# Altium PCB FIT_TDC_ADC.PcbDoc (part 7 of 10)
Units mm, origin at the board's own origin, x right, y up, seen from the top; angles counter-clockwise.
Board outline 89.38 x 69 mm, 8 copper layers (Top Layer, GND1, SIGNAL2, POWER3, POWER4, SIGNAL5, GND6, Bottom Layer), stack 1.028 mm thick; 495 components, 463 nets, 2013 pads, 1239 vias.
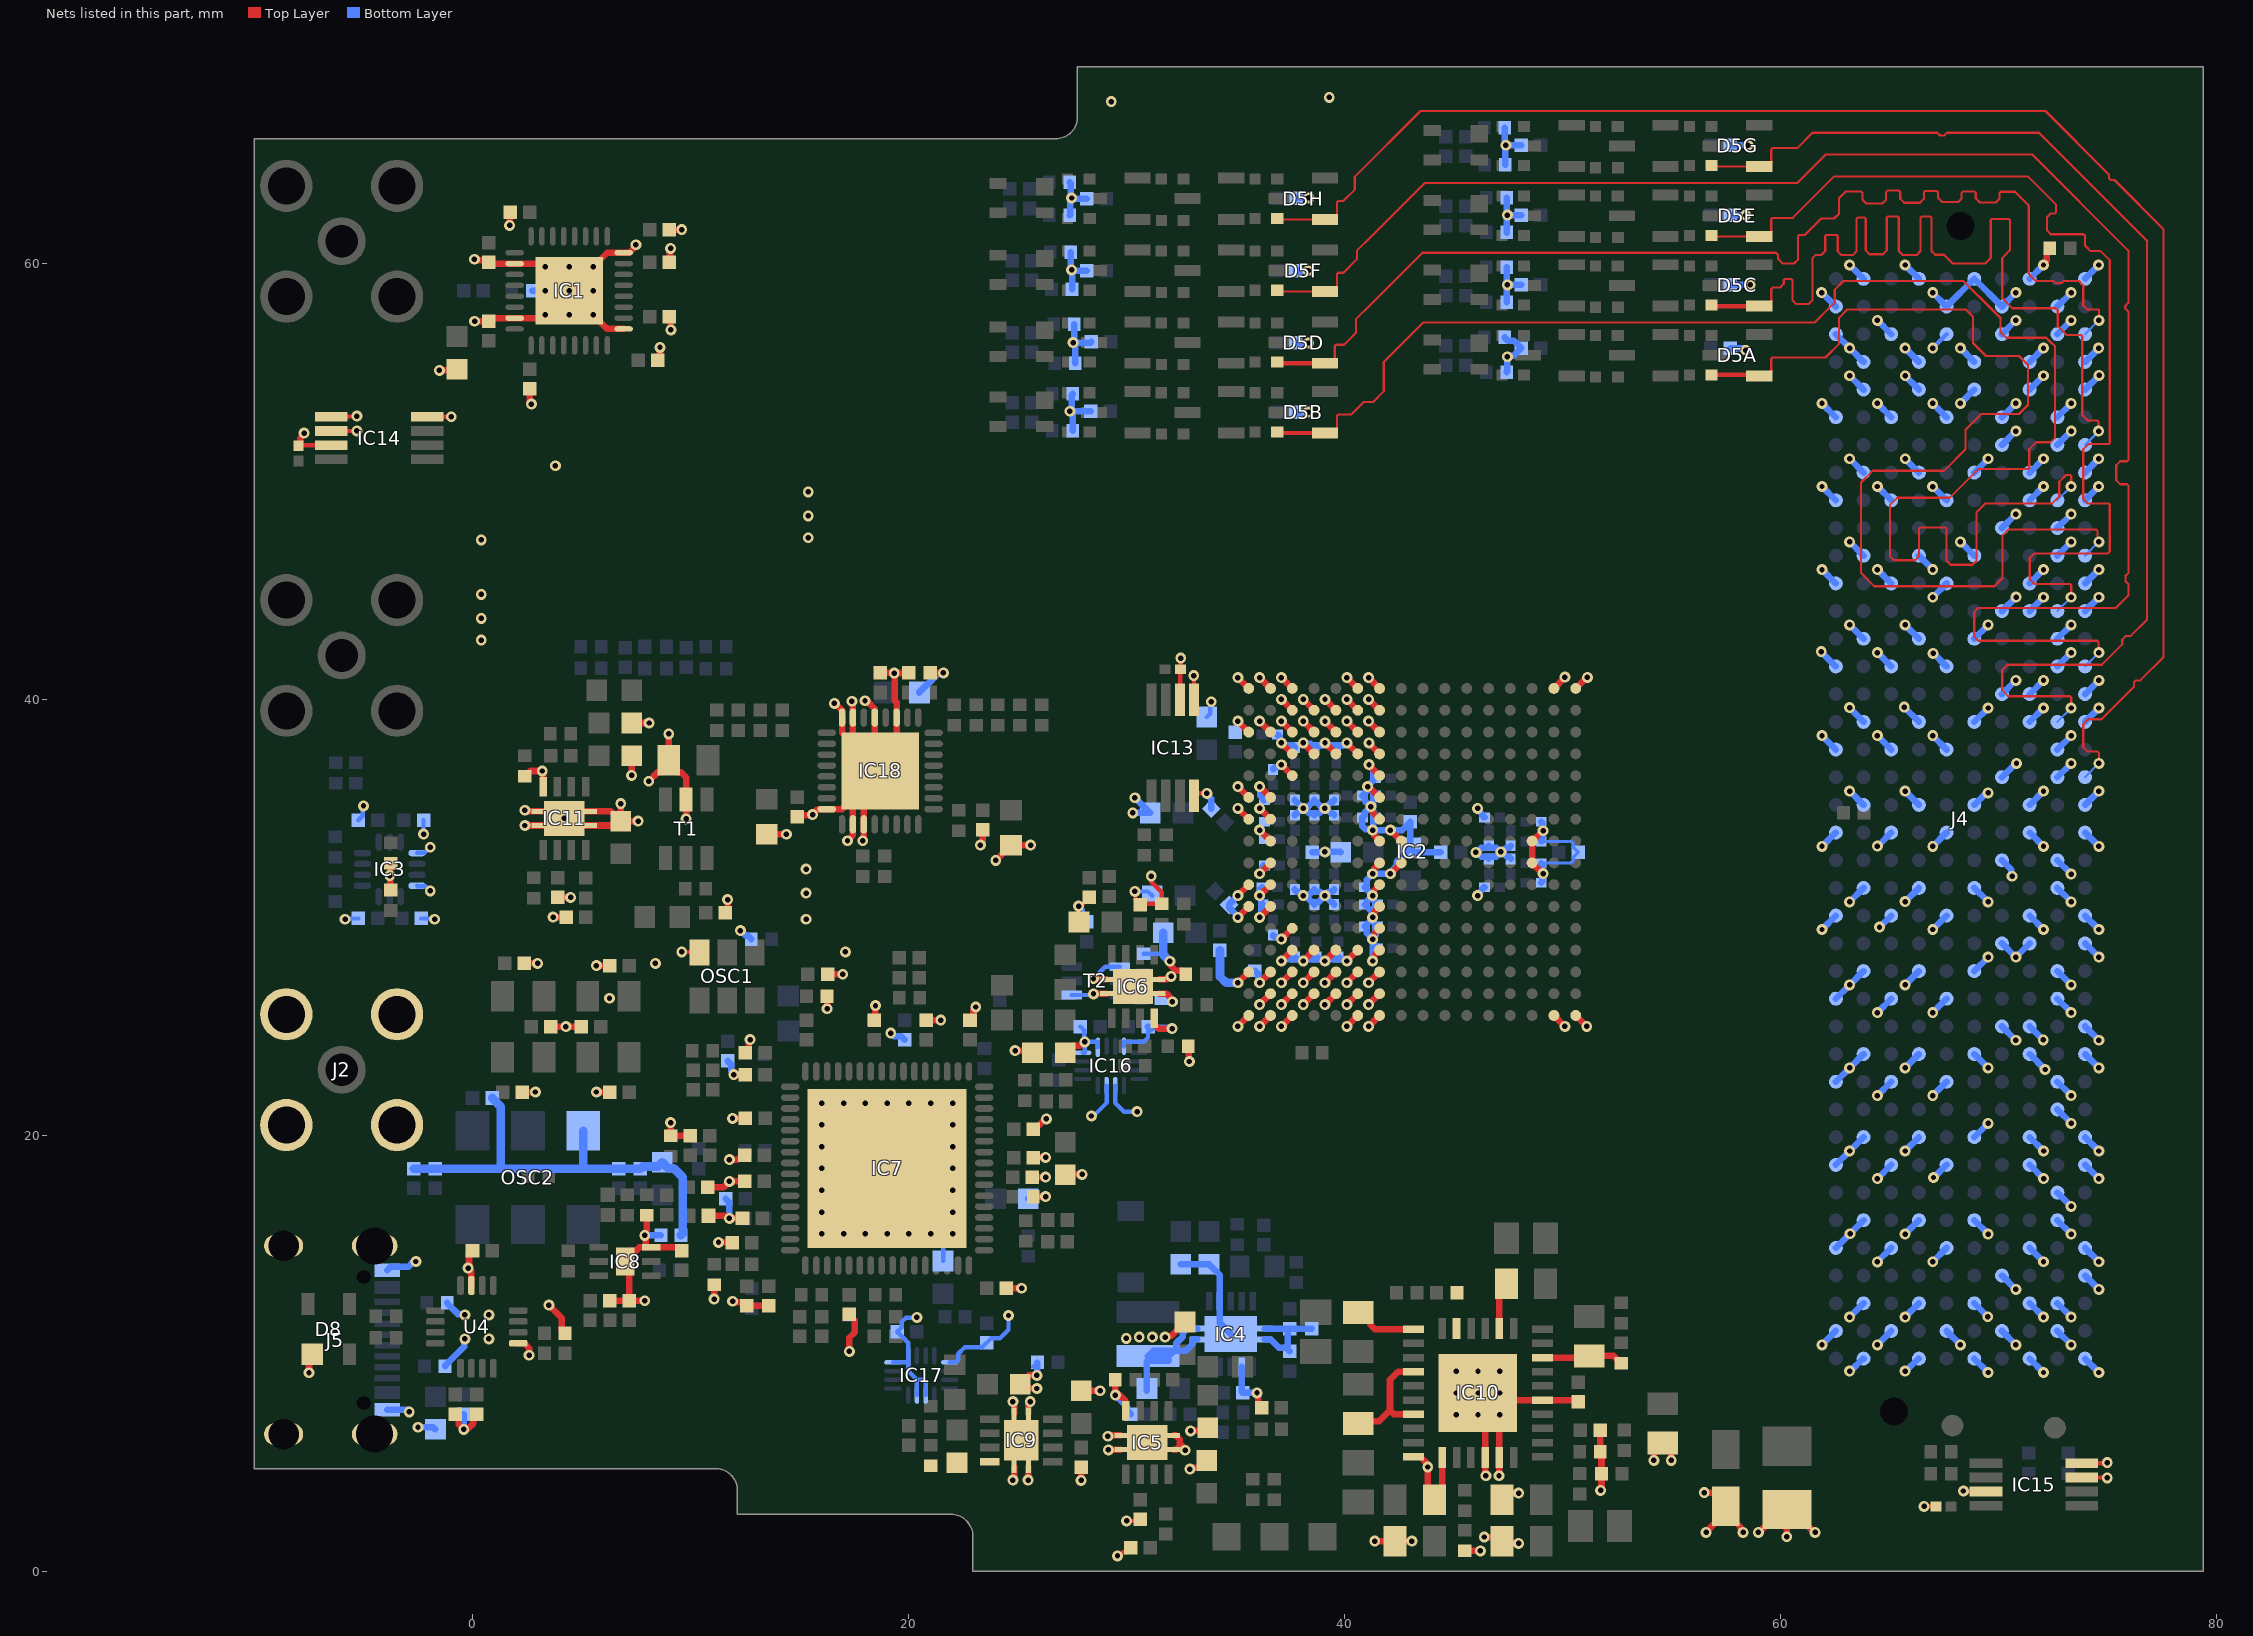
[diagram p13: the nets of this part, all layers, seen from the top]

## Via types
v1: diameter 0.5, hole 0.25, Top Layer to Bottom Layer, tented both sides, 1171 vias
v2: diameter 0.5, hole 0.25, Top Layer to Bottom Layer, tented bottom, 39 vias
v3: diameter 0.5, hole 0.25, Top Layer to Bottom Layer, 29 vias

## Nets (pads, with @x,y where several pads share a name; then routed paths per layer and width w, separated by ;. In a path a pad name is that pad's centre, name@x,y a point inside that pad or via, vN(x,y) a via of type N, cw(c..) or ccw(c..) an arc to the next point about the centre after c; other vN are vias at no path point) (continued)
GND: C2.1 C3.1 C4.1 C5.1 C6.1 C7.1 C8.1 C9.1 C10.1 C11.1 C12.1 C13.1 C14.1 C18.1 C19.1 C20.1 C21.1 C22.1 C23.1 C24.1 C25.1 C26.1 C27.1 C28.1 C29.1 C30.1 C31.1 C32.1 C33.1 C34.1 C35.1 C36.1 C37.1 C38.1 C39.1 C40.1 C41.1 C42.1 C43.1 C44.1 C45.1 C46.1 C47.1 C48.1 C49.1 C50.1 C51.1 C52.1 C53.1 C54.1 C55.1 C56.1 C57.1 C58.1 C59.1 C60.1 C61.1 C62.1 C63.1 C64.1 C65.1 C66.1 C67.1 C68.1 C69.1 C70.1 C71.1 C72.1 C73.1 C74.1 C75.1 C76.1 C77.1 C78.1 C79.1 C80.1 C81.1 C82.1 C83.1 C84.1 C85.1 C87.1 C88.1 C89.1 C90.1 C92.1 C93.1 C94.1 C95.1 C100.1 C106.1 C109.1 C111.1 C112.1 C113.1 C114.2 C115.2 C116.2 C117.2 C118.2 C119.2 C120.2 C124.1 C126.1 C129.1 C130.1 C131.1 C132.1 C133.1 C134.1 C137.1 C138.1 C139.1 C140.1 C141.1 C143.1 C144.1 C145.1 C146.1 C147.2 C148.2 C149.1 C150.1 C151.1 C152.1 C153.1 C154.1 C155.1 C156.1 C157.1 C158.1 C159.1 C160.1 C161.1 C162.1 C165.2 C166.2 C167.2 C170.1 C171.1 C172.1 C173.1 C174.1 C175.1 C176.1 C177.1 C178.1 C180.1 C181.1 C182.1 C183.1 C184.1 C185.1 C186.1 C187.1 C188A.1 C188B.1 C188C.1 C188D.1 C188E.1 C188F.1 C188G.1 C188H.1 C189A.1 C189B.1 C189C.1 C189D.1 C189E.1 C189F.1 C189G.1 C189H.1 C192.1 C193.1 C194.1 C195.1 C196.1 C197.1 C198.1 C199.1 C200.1 C201.1 C202.1 C203.1 C204.1 C205.1 C206.1 C209.1 C210.1 C211.1 C212.1 C213.1 D8.1 IC1.2 IC1.7 IC1.17 IC1.24 IC1.33 IC2.A1 IC2.A2 IC2.A3 IC2.A6 IC2.A7 IC2.A15 IC2.A16 IC2.B3 IC2.B4 IC2.B5 IC2.B6 IC2.B7 IC2.C1 IC2.C2 IC2.C3 IC2.C4 IC2.C5 IC2.C6 IC2.C7 IC2.D3 IC2.D4 IC2.D5 IC2.D6 IC2.D7 IC2.E3 IC2.E7 IC2.F1 IC2.F2 IC2.F7 IC2.G1 IC2.G2 IC2.G7 IC2.H2 IC2.H7 IC2.H8 IC2.H14 IC2.J2 IC2.J7 IC2.J8 IC2.J14 IC2.K1 IC2.K2 IC2.K7 IC2.L1 IC2.L2 IC2.L7 IC2.M3 IC2.M7 IC2.N3 IC2.N4 IC2.N5 IC2.N6 IC2.N7 IC2.P1 IC2.P2 IC2.P3 IC2.P4 IC2.P5 IC2.P6 IC2.P7 IC2.R2 IC2.R3 IC2.R4 IC2.R5 IC2.R6 IC2.R7 IC2.T1 IC2.T2 IC2.T3 IC2.T6 IC2.T7 IC2.T15 IC2.T16 IC3.11 IC3.14 IC4.2 IC4.7 IC4.11 IC5.4 IC5.9 IC6.4 IC6.9 IC7.65 IC8.3 IC8.7 IC9.4 IC9.9 IC10.2 IC10.5 IC10.7 IC10.10 IC10.13 IC10.16 IC10.17 IC10.20 IC10.21 IC10.27 IC10.30 IC10.33 IC11.4 IC11.9 IC13.4 IC13.5 IC13.6 IC14.4 IC14.5 IC14.6 IC14.7 IC15.3 IC15.4 IC15.7 IC16.1 IC16.4 IC16.10 IC16.11 IC16.16 IC17.1 IC17.5 IC17.10 IC17.11 IC17.16 IC18.8 IC18.10 IC18.11 IC18.27 IC18.29 IC18.31 IC18.32 IC18.33 J2.2 J4.a1 J4.a4 J4.a5 J4.a8 J4.a9 J4.a12 J4.a13 J4.a16 J4.a17 J4.a20 J4.a21 J4.a24 J4.a25 J4.a28 J4.a29 J4.a32 J4.a33 J4.a36 J4.a37 J4.a40 J4.b2 J4.b3 J4.b6 J4.b7 J4.b10 J4.b11 J4.b14 J4.b15 J4.b18 J4.b19 J4.b22 J4.b23 J4.b26 J4.b27 J4.b30 J4.b31 J4.b34 J4.b35 J4.b38 J4.b39 J4.c1 J4.c4 J4.c5 J4.c8 J4.c9 J4.c12 J4.c13 J4.c16 J4.c17 J4.c20 J4.c21 J4.c24 J4.c25 J4.c28 J4.c29 J4.c32 J4.c33 J4.c36 J4.c38 J4.c40 J4.d2 J4.d3 J4.d6 J4.d7 J4.d10 J4.d13 J4.d16 J4.d19 J4.d22 J4.d25 J4.d28 J4.d37 J4.d39 J4.e1 J4.e4 J4.e5 J4.e8 J4.e11 J4.e14 J4.e17 J4.e20 J4.e23 J4.e26 J4.e29 J4.e32 J4.e35 J4.e38 J4.e40 J4.f2 J4.f3 J4.f6 J4.f9 J4.f12 J4.f15 J4.f18 J4.f21 J4.f24 J4.f27 J4.f30 J4.f33 J4.f36 J4.f39 J4.g1 J4.g4 J4.g5 J4.g8 J4.g11 J4.g14 J4.g17 J4.g20 J4.g23 J4.g26 J4.g29 J4.g32 J4.g35 J4.g38 J4.g40 J4.h3 J4.h6 J4.h9 J4.h12 J4.h15 J4.h18 J4.h21 J4.h24 J4.h27 J4.h30 J4.h33 J4.h36 J4.h39 J4.j1 J4.j4 J4.j5 J4.j8 J4.j11 J4.j14 J4.j17 J4.j20 J4.j23 J4.j26 J4.j29 J4.j32 J4.j35 J4.j38 J4.j40 J4.k2 J4.k3 J4.k6 J4.k9 J4.k12 J4.k15 J4.k18 J4.k21 J4.k24 J4.k27 J4.k30 J4.k33 J4.k36 J4.k39 J5.1 J5.2 J5.3 J5.4 J5.A1-B12 J5.B1-A12 L26.2 L29.2 OSC1.3 R1.1 R14.1 R15.1 R16.1 R22.1 R25.1 R26.1 R28.1 R31.1 R34.1 R38.1 R39.1 R41.1 R42A.1 R42B.1 R42C.1 R42D.1 R42E.1 R42F.1 R42G.1 R42H.1 R46.1 R47A.1 R47B.1 R47C.1 R47D.1 R47E.1 R47F.1 R47G.1 R47H.1 R50.1 R52.1 R54.1 R57.1 R58.1 R83.2 R85.1 R93.1 R94.1 R98.2 R99.1 R100.2 R118.1 T1.5 T2.1 T2.4 U4.3 U4.13 U4.17 | length 547.8
  Top Layer w0.1: v1(39.099,25.985) v1@39.104,25.985 ; v1(39.099,26.985) v1@39.104,26.985 ; v1(39.099,27.985) v1@39.104,27.985 ; v1(41.058,35.985) v1@41.104,35.985 ; v1@41.104,38.985 v1(41.104,38.989) ; v1@41.121,36.968 v1(41.121,36.989) ; v1@41.121,37.968 v1(41.121,37.989) ; v1@49.1,31.989 v1(49.104,31.989) ; v1@50.104,40.985 v1(50.104,41.008) ; v1@51.104,24.985 v1(51.11,24.985) ; v1@51.115,40.997 v1(51.138,40.997)
  Top Layer w0.2: C166.2@-7.948,51.769 C166.2@-7.923,51.744 ; C166.2@-7.855,51.644 IC14.7@-6.48,51.644 IC14.7@-6.465,51.659 ; IC14.6@-6.48,52.294 -6.477,52.297 -5.303,52.297 v1(-5.3,52.3) ; IC14.5@-6.48,52.944 -6.465,52.96 -5.315,52.96 v1(-5.3,52.975) ; IC14.4@-2.08,52.944 -2.077,52.947 -0.978,52.947 v1(-0.975,52.95) ; v1(9.6,28.4) 10.389,28.4 OSC1.3@10.415,28.374 ; v1(27.8,30.5) 27.857,30.557 27.957,30.557 C198.1@28.3,30.9 ; v1(29.585,0.7) 29.666,0.7 29.83,0.864 29.975,0.864 C197.1@30.185,1.074 ; v1(30,2.3) 30.55,2.3 C90.1@30.62,2.369 ; v1(30.385,31.174) 30.41,31.149 30.41,30.779 C95.1@30.62,30.569 30.66,30.609 R26.1@31.62,30.609 31.62,31.139 31.135,31.624 v1(31.135,31.874) ; IC13.6@32.445,39.969 32.47,39.994 C165.2@32.47,41.369 32.485,41.384 32.477,41.392 32.477,41.867 v1(32.485,41.874) ; v1(33.085,41.074) 33.095,41.064 IC13.5@33.095,39.969 ; IC13.4@33.095,35.569 33.2,35.674 v1(33.685,35.674) ; v1(66.58,2.969) C167.2@67.12,2.969 ; v1(68.385,3.674) 68.415,3.644 IC15.7@69.42,3.644 ; IC15.3@73.82,4.294 74.965,4.294 v1(74.985,4.274) ; IC15.4@73.82,4.944 74.955,4.944 v1(74.985,4.974)
  Top Layer w0.3: C166.2@-7.98,51.619 -7.99,51.629 -7.905,51.714 -7.905,51.966 -7.725,52.146 v1(-7.725,52.2) ; v1(-7.5,9.1) -7.5,9.8 D8.1@-7.35,9.95 ; v1@-3.8,31.9 -3.77,31.93 -3.77,32.441 R16.1@-3.745,32.466 ; v1(-3.795,31.9) -3.767,31.873 -3.767,31.269 R85.1@-3.74,31.241 ; v1(-1.515,55.074) -0.765,55.074 C2.1@-0.715,55.124 ; C192.1@-0.8,7.2 -0.64,7.04 -0.64,6.74 v1(-0.4,6.5) -0.362,6.538 -0.197,6.538 0.04,6.776 0.04,7.04 C195.1@0.2,7.2 ; U4.3@-0.05,13.1 -0.05,13.75 v1(-0.2,13.9) -0.2,13.954 -0.16,13.994 -0.16,14.54 C194.1@0,14.7 ; v1(0.085,60.174) 0.123,60.136 0.623,60.136 0.785,59.974 IC1.2@1.935,59.974 3.185,59.974 v3(3.335,59.824) ; v1(0.1,57.329) 0.105,57.324 C5.1@0.735,57.324 0.885,57.474 IC1.7@1.935,57.474 3.185,57.474 v3(3.335,57.624) ; v1(1.7,61.729) 1.711,61.74 1.711,62.3 C3.1@1.735,62.324 ; U4.13@2.1,10.45 2.375,10.45 2.6,10.225 v1(2.6,9.9) ; C173.1@2.285,21.974 v1(2.885,21.974) ; C175.1@2.385,27.874 v1(2.985,27.874) ; v1(2.4,34.2) IC11.9@3,34.2 3.887,34.2 v1(4.213,34.525) ; v1(2.4,34.9) 2.45,34.85 IC11.9@3,34.85 3.888,34.85 v1(4.213,34.525) ; R118.1@2.4,36.46 2.42,36.46 2.66,36.7 v1(3.2,36.7) 3.238,36.662 IC11.4@3.238,35.975 ; C7.1@2.635,54.224 2.635,53.594 v1(2.7,53.529) ; v1(3.5,12.2) 4.1,11.6 4.1,11.04 R99.1@4.24,10.9 ; C174.1@3.585,24.974 v1(4.285,24.974) C177.1@4.985,24.974 ; v1(3.7,30) C211.1@4.3,30 ; C213.1@3.9,30.9 v1(4.5,30.9) ; v3(5.535,57.624) 6.185,56.974 IC1.17@6.935,56.974 ; v3(5.535,59.824) 6.185,60.474 IC1.24@6.935,60.474 7.185,60.474 7.496,60.785 v1(7.496,60.837) ; v1(5.685,21.974) C176.1@6.285,21.974 ; v1(5.685,27.774) C178.1@6.285,27.774 ; C161.1@6.3,12.4 C160.1@7.2,12.4 ; v1(6.8,35.2) C212.1@6.8,34.4 ; v1(7.3,36.5) C209.1@7.3,37.4 ; C210.1@7.3,38.9 v1(8.1,38.9) ; v1(7.6,34.4) C212.1@6.8,34.4 ; v1(7.9,12.4) C160.1@7.2,12.4 ; R58.1@8,16.33 8,15.554 7.9,15.454 v1(7.9,15.4) 7.938,15.362 IC8.3@7.938,14.85 ; v1(8.086,36.228) 8.509,36.65 8.625,36.65 C12.1@9,37.025 ; C8.1@8.6,55.629 v1(8.6,56.129) ; v1(9,38.4) C12.1@9,37.2 C12.1@9,37.025 ; C10.1@9.035,57.524 9.089,57.47 9.089,56.94 v1(9.1,56.929) ; C9.1@9.035,60.024 9.06,60.049 9.06,60.649 v1(9.085,60.674) ; C4.1@9.035,61.524 9.04,61.529 v1(9.6,61.529) ; v1(9.085,20.574) R31.1@9.085,19.974 C100.1@9.985,19.974 ; C162.1@9.6,14.7 9.45,14.85 IC8.3@8.2,14.85 IC8.3@7.938,14.85 ; v1(9.8,34.5) T1.5@9.8,35.4 9.8,36.4 9.55,36.65 9.375,36.65 C12.1@9,37.025 ; C109.1@10.8,17.6 11.509,17.6 11.783,17.874 v1(11.785,17.874) C132.1@12.485,17.874 ; C111.1@10.82,16.3 11.605,16.3 11.731,16.174 v1(11.785,16.174) C133.1@12.385,16.174 ; v1(11.085,12.474) R38.1@11.085,13.134 ; v1(11.285,15.074) 11.915,15.074 C124.1@11.92,15.069 ; C11.1@11.6,30.2 11.7,30.3 v1(11.7,30.8) ; v1(11.785,18.874) 12.149,18.874 12.189,18.914 12.325,18.914 C170.1@12.485,19.074 ; v1(11.926,20.763) 11.929,20.766 12.517,20.766 C116.2@12.52,20.769 ; v1(11.932,12.377) 11.986,12.377 12.029,12.334 12.425,12.334 C134.1@12.585,12.174 C131.1@13.585,12.174 ; v1(11.985,22.774) 12.515,22.774 C115.2@12.52,22.769 ; C119.2@12.52,23.769 12.68,23.929 12.68,24.272 12.734,24.326 v1(12.734,24.38) ; C206.1@13.5,33.8 v1(14.4,33.8) ; C14.1@14.9,34.6 14.974,34.674 15.574,34.674 v1(15.6,34.7) 15.85,34.95 IC18.8@16.25,34.95 16.95,34.95 IC18.33@17.45,35.45 ; R39.1@16.26,26.369 16.262,26.367 16.262,25.797 v1(16.264,25.795) ; C106.1@16.285,27.374 v1(16.985,27.374) ; v1(16.6,39.8) 16.632,39.8 IC18.32@16.95,39.482 ; IC18.32@16.95,39.15 16.95,38.45 IC18.33@18.45,36.95 ; v1(17.2,33.5) 17.45,33.75 IC18.10@17.45,34.25 IC18.33@17.45,35.45 ; v1(17.285,10.074) 17.285,10.702 17.533,10.95 17.533,11.509 17.445,11.597 17.445,11.614 C140.1@17.285,11.774 ; v1(17.4,39.9) 17.45,39.85 IC18.31@17.45,39.15 IC18.33@17.45,37.95 ; v1(17.9,33.5) 17.95,33.55 IC18.11@17.95,34.25 IC18.33@17.95,35.95 ; v1(18.002,39.922) 18.041,39.884 18.116,39.884 18.45,39.55 IC18.33@18.45,36.95 ; C139.1@18.42,25.269 18.464,25.314 18.464,25.854 18.485,25.874 v1(18.485,25.939) ; C202.1@19,41.2 19.332,41.2 v1(19.345,41.187) ; C205.1@20,41.2 19.994,41.194 19.351,41.194 v1(19.345,41.187) ; C117.2@20.82,25.269 20.825,25.274 20.827,25.272 21.477,25.272 v1(21.48,25.274) ; C204.1@21,41.2 v1(21.6,41.2) ; C138.1@22.82,25.269 22.98,25.429 22.98,25.715 23.085,25.82 v1(23.085,25.874) ; v1(23.3,33.3) 23.4,33.4 C13.1@23.4,34 ; v1(24,32.6) 24.35,32.95 24.35,32.975 24.675,33.3 C203.1@24.7,33.3 v1(25.6,33.3) ; C141.1@24.485,12.974 v1(25.185,12.974) ; v1(24.785,4.174) 24.845,4.234 IC9.9@24.845,4.782 ; v1(24.785,7.774) 24.845,7.714 IC9.9@24.845,7.207 ; v1(24.885,23.874) 25.585,23.874 C92.1@25.685,23.774 ; v1(25.485,4.174) 25.495,4.184 IC9.9@25.495,4.782 ; IC9.9@25.495,7.207 25.495,7.684 v1(25.585,7.774) ; C114.2@25.685,18.074 v1(26.285,18.074) ; C120.2@25.72,18.969 25.725,18.974 v1(26.285,18.974) ; C113.1@25.72,20.269 25.88,20.429 25.959,20.429 26.231,20.702 26.287,20.702 v1(26.325,20.74) ; R28.1@25.725,17.174 v1(26.285,17.174) ; v1(25.885,8.374) 25.869,8.39 25.299,8.39 C144.1@25.12,8.569 25.525,8.974 v1(25.885,8.974) ; C112.1@27.185,18.174 27.204,18.193 v1(27.963,18.193) ; C93.1@27.185,23.774 27.51,24.099 27.856,24.099 28.031,24.274 v1(28.085,24.274) ; v1(27.8,30.5) 27.8,29.789 C94.1@27.82,29.769 ; v1(27.917,4.161) 27.918,4.162 C146.1@27.92,4.769 C146.1@27.92,4.769 ; C145.1@27.92,8.269 27.925,8.274 v1(28.785,8.274) ; v1(28.485,26.474) 28.499,26.488 IC6.9@29.08,26.488 ; v1(28.485,27.174) 28.521,27.138 IC6.9@29.08,27.138 ; v1(29.147,6.185) 29.185,6.223 IC5.9@29.734,6.223 ; v1(29.165,5.561) 29.178,5.573 IC5.9@29.734,5.573 ; R22.1@29.48,8.769 29.482,8.767 29.482,8.077 v1(29.485,8.074) 29.685,8.074 29.947,7.812 29.947,7.373 IC5.4@29.972,7.348 ; IC6.4@31.268,25.363 31.293,25.338 31.293,25.056 31.469,24.88 v1(32.089,24.88) ; IC6.9@31.505,26.488 31.828,26.488 32.066,26.251 32.066,26.154 v1(32.104,26.116) ; IC6.9@31.505,27.138 31.849,27.138 31.986,27.276 v1(32.04,27.276) ; v1(31.767,10.734) 31.806,10.773 32.033,10.773 C88.1@32.685,11.424 ; v1(31.985,27.974) 32.023,27.936 32.023,27.772 32.261,27.534 32.575,27.534 32.715,27.394 R15.1@32.715,27.374 ; IC5.9@32.159,5.573 32.284,5.573 32.505,5.794 ; IC5.9@32.159,6.223 32.262,6.223 32.436,6.049 32.436,5.863 32.505,5.794 ; v1(32.683,5.543) 32.645,5.581 32.645,5.654 32.505,5.794 ; R25.1@32.825,24.074 32.855,24.044 32.855,23.404 v1(32.885,23.374) ; v1(32.903,4.676) 32.957,4.676 33.03,4.749 33.36,4.749 C89.1@33.685,5.074 ; v1(32.935,6.43) 33.58,6.43 C87.1@33.72,6.569 ; v1(35.104,24.985) IC2.T1@35.604,25.485 ; v1(35.104,26.985) IC2.P1@35.604,27.485 ; v1(35.104,29.985) IC2.L1@35.604,30.485 ; v1(35.104,30.985) IC2.K1@35.604,31.485 ; v1(35.104,34.985) IC2.G1@35.604,34.485 ; v1(35.104,35.985) IC2.F1@35.604,35.485 ; v1(35.104,38.985) IC2.C1@35.604,38.485 ; v1(35.104,40.985) IC2.A1@35.604,40.485 ; v1(35.985,8.174) 35.985,8.12 36.04,8.065 36.04,7.66 C199.1@36.2,7.5 ; v1(36.104,24.985) IC2.T2@36.604,25.485 ; v1(36.104,25.985) IC2.R2@36.604,26.485 ; v1(36.104,26.985) IC2.P2@36.604,27.485 ; v1(36.104,29.985) IC2.L2@36.604,30.485 ; v1(36.104,30.985) IC2.K2@36.604,31.485 ; v1(36.104,31.985) IC2.J2@36.604,32.485 ; v1(36.104,33.985) IC2.H2@36.604,33.485 ; v1(36.104,34.985) IC2.G2@36.604,34.485 ; v1(36.104,35.985) IC2.F2@36.604,35.485 ; v1(36.104,38.985) IC2.C2@36.604,38.485 ; v1(36.104,40.985) IC2.A2@36.604,40.485 ; v1(37.104,24.985) IC2.T3@37.604,25.485 ; v1(37.104,25.985) IC2.R3@37.604,26.485 ; v1(37.104,26.985) IC2.P3@37.604,27.485 ; v1(37.104,27.985) IC2.N3@37.604,28.485 ; v1(37.104,28.985) IC2.M3@37.604,29.485 ; v1(37.104,36.985) IC2.E3@37.604,36.485 ; v1(37.104,37.985) IC2.D3@37.604,37.485 ; v1(37.104,38.985) IC2.C3@37.604,38.485 ; v1(37.104,39.985) IC2.B3@37.604,39.485 ; v1(37.104,40.985) IC2.A3@37.604,40.485 ; v1(38.104,25.985) IC2.R4@38.604,26.485 ; v1(38.104,26.985) IC2.P4@38.604,27.485 ; v1(38.104,27.985) IC2.N4@38.604,28.485 ; v1(38.104,37.985) IC2.D4@38.604,37.485 ; v1(38.104,38.985) IC2.C4@38.604,38.485 ; v1(38.104,39.985) IC2.B4@38.604,39.485 ; v1@39.104,25.985 IC2.R5@39.604,26.485 ; v1@39.104,26.985 IC2.P5@39.604,27.485 ; v1@39.104,27.985 IC2.N5@39.604,28.485 ; v1(39.104,37.985) IC2.D5@39.604,37.485 ; v1(39.104,38.985) IC2.C5@39.604,38.485 ; v1(39.104,39.985) IC2.B5@39.604,39.485 ; v1(40.104,24.985) IC2.T6@40.604,25.485 ; v1(40.104,25.985) IC2.R6@40.604,26.485 ; v1(40.104,26.985) IC2.P6@40.604,27.485 ; v1(40.104,27.985) IC2.N6@40.604,28.485 ; v1(40.104,37.985) IC2.D6@40.604,37.485 ; v1(40.104,38.985) IC2.C6@40.604,38.485 ; v1(40.104,39.985) IC2.B6@40.604,39.485 ; v1(40.104,40.985) IC2.A6@40.604,40.485 ; C153.1@40.62,6.769 40.734,6.884 41.594,6.884 42.085,7.374 ; C154.1@40.62,11.869 40.795,11.869 41.17,11.494 41.17,11.319 41.395,11.094 IC10.7@43.157,11.094 ; v1(41.104,24.985) IC2.T7@41.604,25.485 ; v1(41.104,25.985) IC2.R7@41.604,26.485 ; v1(41.104,26.985) IC2.P7@41.604,27.485 ; v1@41.104,35.985 IC2.F7@41.604,35.485 ; v1@41.104,38.985 IC2.C7@41.604,38.485 ; v1(41.104,39.985) IC2.B7@41.604,39.485 ; v1(41.104,40.985) IC2.A7@41.604,40.485 ; v1@41.121,36.968 IC2.E7@41.604,36.485 ; v1@41.121,37.968 IC2.D7@41.604,37.485 ; v1(41.205,35.065) 41.282,34.988 41.282,34.807 IC2.G7@41.604,34.485 ; v1(41.285,27.984) 41.361,28.061 41.361,28.233 41.604,28.475 IC2.N7@41.604,28.485 ; v1(41.285,29.985) 41.361,30.062 41.361,30.233 41.604,30.475 IC2.L7@41.604,30.485 ; v1(41.285,31.985) 41.361,32.062 41.361,32.233 41.604,32.475 IC2.J7@41.604,32.485 ; v1(41.285,33.985) 41.361,33.909 41.361,33.738 41.604,33.495 IC2.H7@41.604,33.485 ; 41.361,29.233 41.604,29.475 IC2.M7@41.604,29.485 ; 41.361,31.233 41.604,31.475 IC2.K7@41.604,31.485 ; v1(41.385,1.374) 41.39,1.369 C152.1@42.32,1.369 42.325,1.374 v1(43.085,1.374) ; v1(42.104,31.985) IC2.J8@42.604,32.485 ; v1(42.104,33.985) IC2.H8@42.604,33.485 ; IC10.13@43.157,7.194 42.265,7.194 42.085,7.374 ; IC10.10@43.157,9.144 42.455,9.144 42.085,8.774 42.085,7.374 ; IC10.16@43.47,5.244 43.778,4.936 43.778,4.813 v1(43.817,4.774) ; v1@43.8,4.791 v1(43.817,4.774) ; IC10.17@44.487,5.207 44.487,3.636 C151.1@44.12,3.269 43.817,3.572 v1(43.817,4.774) ; R46.1@45.52,0.929 45.521,0.928 v1(46.228,0.927) v1(46.228,0.927) ; IC10.33@46.282,8.007 IC10.33@46.445,7.844 ; v1(46.408,1.563) 47.026,1.563 C158.1@47.22,1.369 47.315,1.274 v1(47.985,1.274) ; v1(46.485,4.374) 46.445,4.414 IC10.20@46.445,5.207 IC10.33@46.445,7.844 ; v1(47.085,4.374) 47.103,4.392 IC10.21@47.103,5.207 47.103,7.726 IC10.33@46.985,7.844 ; IC10.2@47.103,11.132 47.103,12.852 C156.1@47.42,13.169 ; C157.1@47.22,3.269 47.525,3.574 v1(47.985,3.574) ; IC10.30@49.082,9.794 51.145,9.794 C155.1@51.22,9.869 52.349,9.869 52.525,9.694 52.525,9.674 52.665,9.534 R57.1@52.685,9.534 ; v1@49.1,31.989 IC2.J14@48.604,32.485 IC2.H14@48.604,33.485 48.617,33.485 49.091,33.96 v1(49.104,33.96) ; IC2.T15@49.604,25.485 v1(50.104,24.985) ; IC2.A15@49.604,40.485 v1@50.104,40.985 ; IC2.T16@50.604,25.485 v1@51.104,24.985 ; IC2.A16@50.604,40.485 v1@51.115,40.997 ; C150.1@50.72,7.769 50.645,7.844 IC10.27@49.082,7.844 IC10.33@46.985,7.844 ; C159.1@51.72,6.469 51.72,5.479 R54.1@51.725,5.474 51.785,5.414 51.785,3.795 51.743,3.754 v1(51.743,3.7) ; v1(54.185,5.074) 54.185,5.499 54.36,5.674 C149.1@54.585,5.674 ; C149.1@54.585,5.874 C149.1@54.585,5.674 ; v1(54.985,5.074) 54.985,5.499 54.81,5.674 C149.1@54.585,5.674 ; v1(56.5,3.6) 57.134,3.6 57.485,3.249 C148.2@57.485,2.974 C148.2@57.485,2.699 ; v1(56.585,1.774) 56.585,1.799 C148.2@57.485,2.699 ; v1(58.285,1.774) 58.285,1.828 58.147,1.967 58.147,2.038 C148.2@57.485,2.699 ; v1(58.985,1.774) 59.01,1.774 60.06,2.824 C147.2@60.285,2.824 ; v1(60.285,1.574) C147.2@60.285,2.824 ; v1(61.585,1.774) 61.56,1.774 60.51,2.824 C147.2@60.285,2.824 ; v1(72.06,59.909) 72.06,59.963 72.205,60.108 72.205,60.534 R83.2@72.345,60.674 ; v1(4.213,34.525) 4.538,34.2 IC11.9@5.425,34.2 6.6,34.2 C212.1@6.8,34.4 ; v1(4.213,34.525) 4.537,34.85 IC11.9@5.425,34.85 6.35,34.85 C212.1@6.8,34.4 ; C160.1@7.2,12.4 7.2,14 IC8.7@7,14.2 7,14.425 7.275,14.7 7.5,14.7 7.65,14.85 IC8.3@7.938,14.85 ; IC18.33@17.45,35.45 IC18.33@17.95,35.95 ; IC18.33@17.95,35.95 IC18.33@18.7,36.7 ; IC18.33@18.45,36.95 IC18.33@18.7,36.7 ; IC18.33@18.7,36.7 19.45,37.45 IC18.27@19.45,39.15 19.45,39.85 19.358,39.942 19.358,41.173 v1(19.345,41.187) ; IC10.33@46.445,7.844 IC10.33@46.985,7.844
  Bottom Layer w0.1: v1(36.104,29.985) 36.104,30.039 36.104,30.403 36.17,30.469 C45.1@36.27,30.569 ; v1@41.32,29.95 41.32,29.744 41.42,29.644 C81.1@41.495,29.569
  Bottom Layer w0.15: C69.1@49.02,32.469 49.025,32.474 50.385,32.474 50.485,32.574 50.485,32.734 C76.1@50.72,32.969 50.486,33.203 50.486,33.373 50.39,33.469 C72.1@49.02,33.469
  Bottom Layer w0.2: v1(-5.84,29.901) -5.805,29.936 C171.1@-5.245,29.936 ; C172.1@-5.245,34.436 -5.035,34.646 -5.035,35.065 v1(-5,35.1) ; IC3.14@-2.545,31.436 -2.526,31.417 -2.156,31.417 v1(-1.94,31.201) ; IC3.11@-2.545,32.936 -2.526,32.955 -2.186,32.955 v1(-1.94,33.201) ; C18.1@-2.345,29.936 -1.775,29.936 v1(-1.74,29.901) ; C19.1@-2.245,34.436 -2.245,33.806 v1(-2.24,33.801) ; IC17.16@19.285,9.574 IC17.1@19.985,9.574 ; IC17.11@20.385,8.074 20.385,8.774 ; v1(20.385,11.634) 20.375,11.624 19.885,11.624 19.682,11.421 19.682,11.171 C183.1@19.485,10.974 19.875,10.584 19.875,10.581 19.985,10.471 IC17.1@19.985,9.824 IC17.1@19.985,9.574 ; IC17.10@20.785,8.074 20.785,8.657 20.668,8.774 20.385,8.774 ; C137.1@21.585,14.224 21.585,15.034 v1(22.02,15.469) ; IC17.5@21.885,9.574 22.185,9.574 22.185,9.591 22.285,9.691 22.285,9.974 22.585,10.274 23.385,10.274 23.785,10.674 24.185,10.674 24.585,11.074 v1(24.585,11.724) ; R93.1@25.727,9.386 25.9,9.559 R93.1@25.915,9.574 ; T2.4@27.485,26.424 28.435,26.424 v1(28.485,26.474) v1@28.566,26.474 ; v1(27.8,30.5) 27.83,30.5 27.999,30.331 27.999,29.96 C182.1@28.185,29.774 ; C184.1@27.885,24.974 28.063,24.796 28.063,24.296 v1(28.085,24.274) ; IC16.16@27.985,23.774 28.08,23.774 28.08,24.269 v1(28.085,24.274) ; v1(28.385,20.874) 28.485,20.874 29.085,21.474 IC16.11@29.085,22.274 ; v1(28.485,27.174) 29.027,27.716 29.677,27.716 T2.1@29.685,27.724 ; IC16.1@28.685,24.024 28.685,24.274 v1(28.085,24.274) ; v1@28.773,8.263 v1(28.785,8.274) ; IC16.10@29.485,22.274 29.485,21.474 29.885,21.074 v1(30.485,21.074) ; IC16.4@29.885,24.074 29.885,24.274 30.785,24.274 30.985,24.474 C185.1@30.985,24.974 ; v1(30.385,31.174) 30.985,31.174 C64.1@31.185,30.974 ; R94.1@30.785,28.314 31.645,28.314 31.685,28.274 ; C27.1@33.685,39.174 33.843,39.332 33.843,39.832 v1(33.885,39.874) ; v1(66.98,56.099) J4.f3@67.615,56.734 ; IC17.1@19.985,9.574 19.985,9.174 20.385,8.774